# Altium PCB slave2020.PcbDoc (part 1 of 2)
Units mm, origin at the board's own origin, x right, y up, seen from the top; angles counter-clockwise.
Board outline 160 x 183 mm, 2 copper layers (Top, Bottom); 119 components, 63 nets, 329 pads, 13 vias.
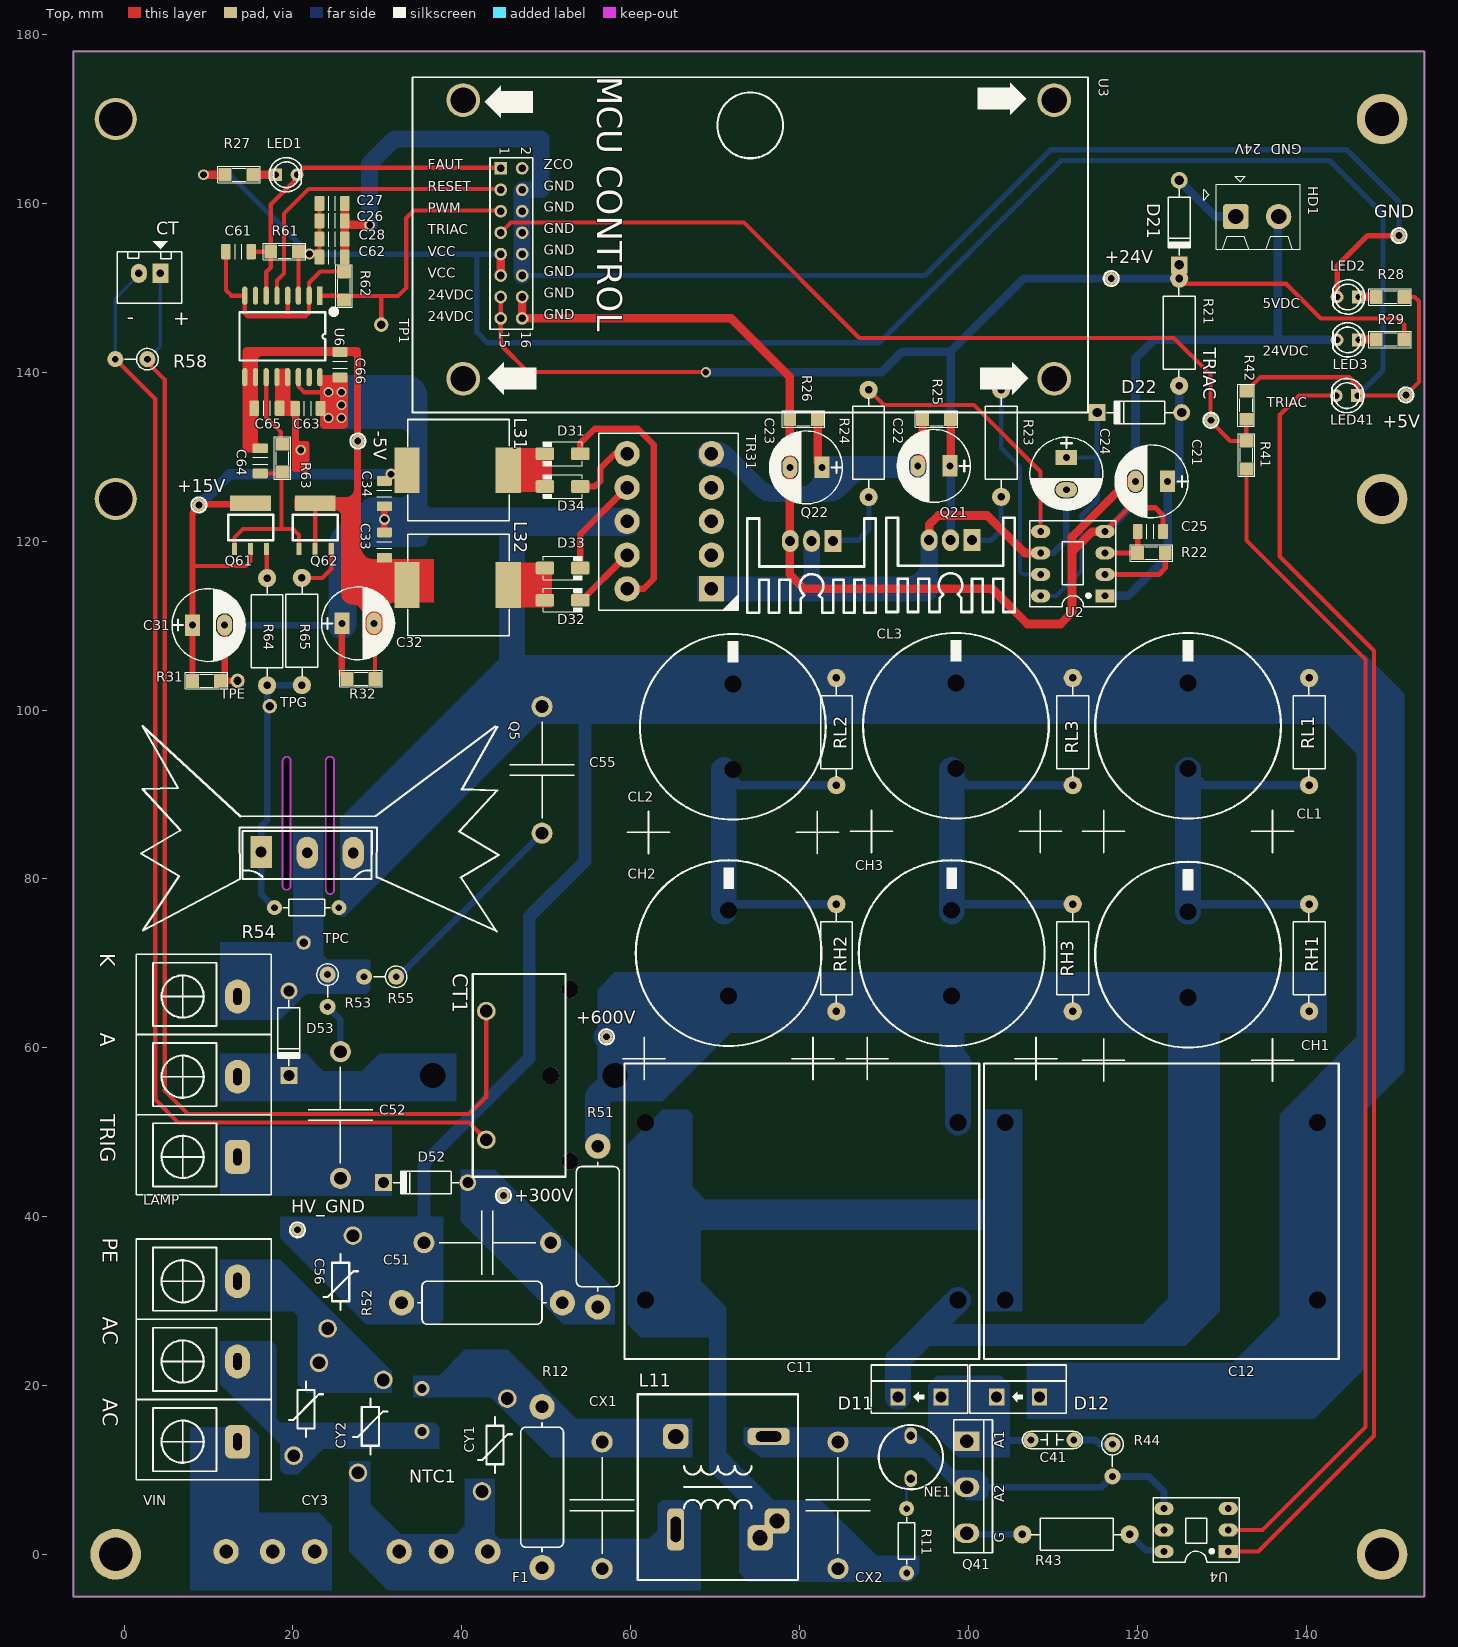
[diagram p0: Top view]
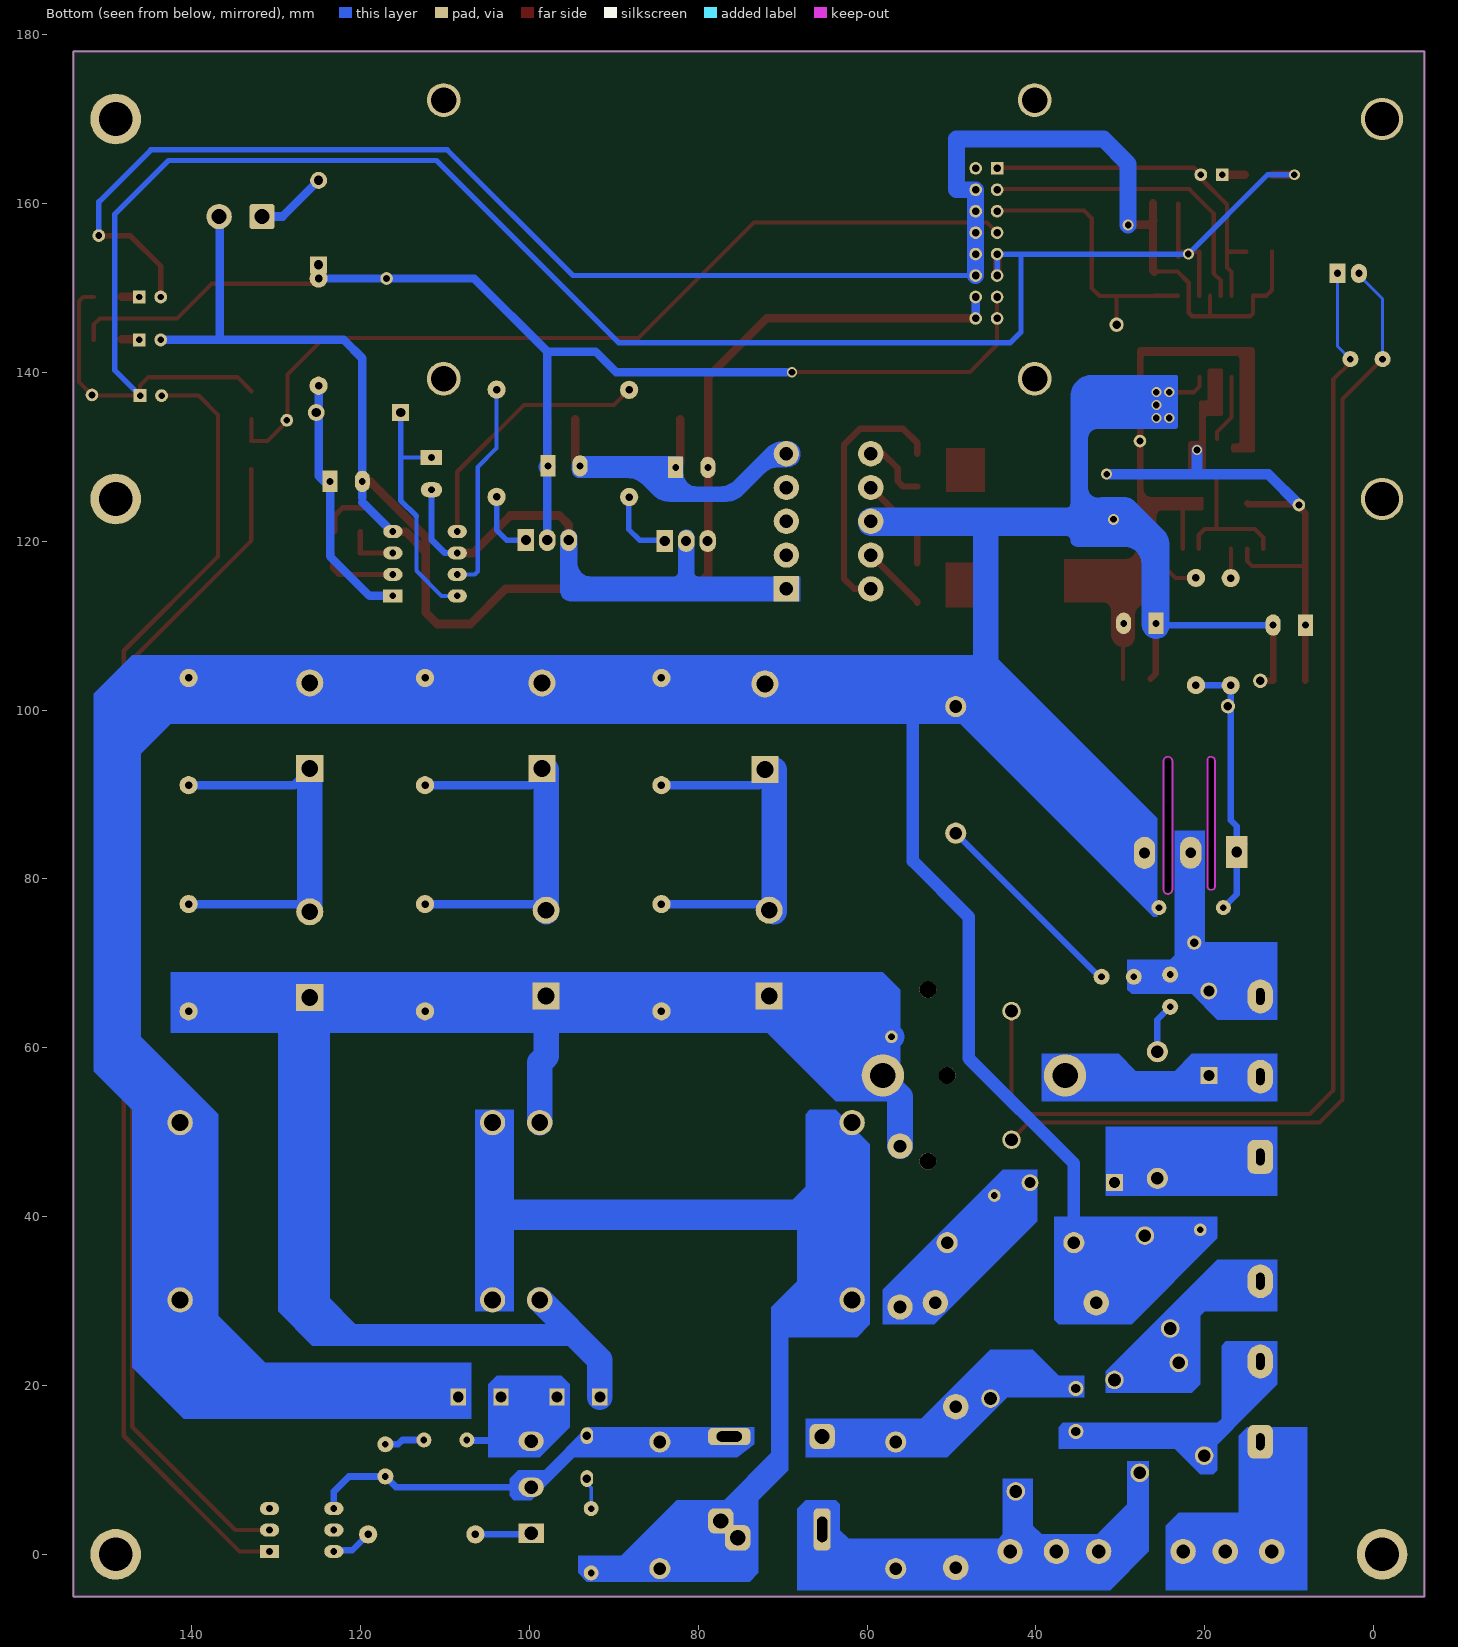
[diagram p1: Bottom view, seen from below]
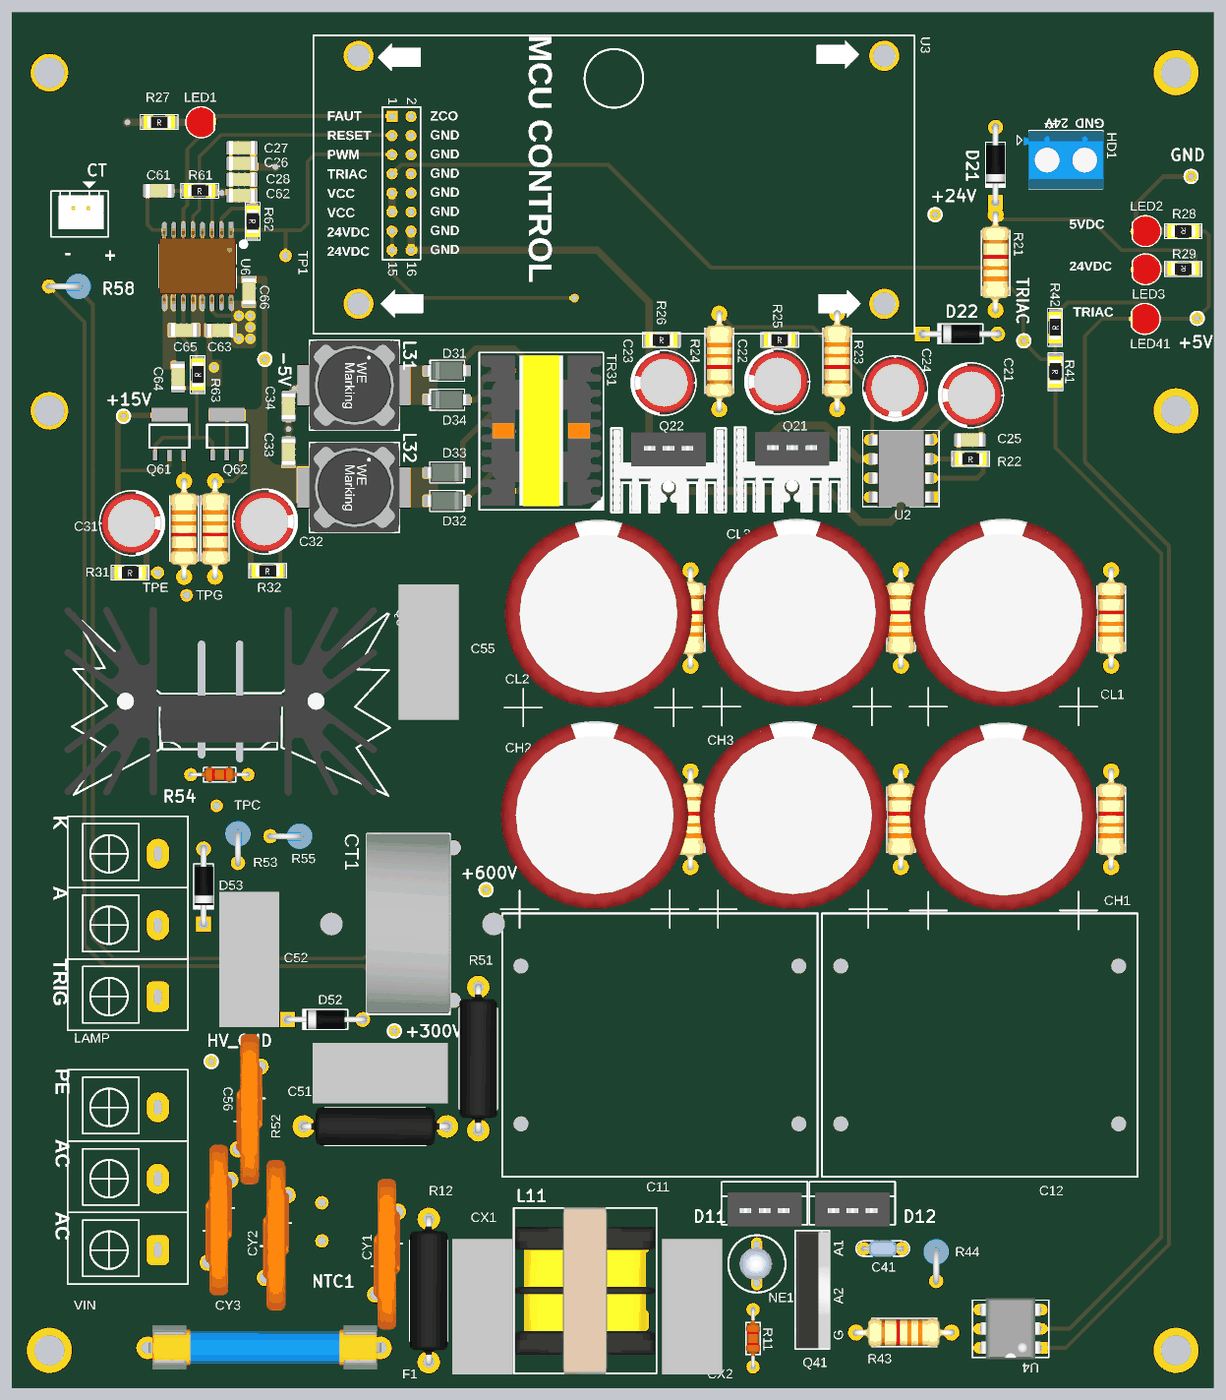
[diagram p3: 3D render of the assembled board from above, using the file's embedded part models]

## Layer stack, top to bottom
Top Solder: solder mask 0.0102, Solder Resist, Dk 3.5
Top: signal copper 0.0356
Dielectric 1: dielectric 0.32, FR-4, Dk 4.8
Bottom: signal copper 0.0356
Bottom Solder: solder mask 0.0102, Solder Resist, Dk 3.5

## Board outline
-6,-5 -6,178 154,178 154,-5
cut-out: 19.255,94.472 cw(c19.255,93.964) 19.763,93.964 19.763,79.232 cw(c19.255,79.232) 19.255,78.724 cw(c19.255,79.232) 18.747,79.232 18.747,93.964 cw(c19.255,93.964)
cut-out: 24.843,93.964 ccw(c24.335,93.964) 24.335,94.472 ccw(c24.335,93.964) 23.827,93.964 23.827,78.724 ccw(c24.335,78.724) 24.335,78.216 ccw(c24.335,78.724) 24.843,78.724

## Design rules (kind name [scope] priority, off if disabled: settings)
Clearance [All] p1: gap=0.254 ignorepadtopadclearanceinfootprint=FALSE except(0: Arc-Hole Track-Hole SMDPad-Hole THPad-Hole Via-Hole Fill-Hole Poly-Hole Region-Hole Text-Hole; 0.5: Arc-Arc Arc-Track Track-Track)
Height [All] p1: minheight=0 maxheight=100 prefheight=12.7
PolygonConnect [All] p1: connectstyle=Relief reliefconductorwidth=0.254 reliefentries=4 polygonreliefangle="90 Angle" airgapwidth=0.254
RoutingVias [All] p1: holewidth=0.711 width=1.27 viastyle="Through Hole" minholewidth=0.711 minwidth=1.27 maxholewidth=5 maxwidth=5
SolderMaskExpansion [All] p1: expansion=0.102
Width [All] p1: maxlimit=5 minlimit=0.254 preferedwidth=0.254
29 further rules are at their usual default settings.

## Classes and differential pairs
component class IGBT: +300V +600V C11 C12 C41 C51 C52 C55 C56 CH1 CH2 CH3 CL1 CL2 CL3 CT CT1 CX1 CX2 CY1 CY2 CY3 D11 D12 D52 D53 F1 L11 LAMP LED41 NE1 NTC1 Q5 Q41 R11 R12 R41 R42 R43 R44 R51 R52 R53 R54 R55 R58 RH1 RH2 RH3 RL1 RL2 RL3 TPC TPE TPG TRIAC U4 VIN
component class DriveIGBT: +5V +15V +24V -5V C21 C22 C23 C24 C25 C26 C27 C28 C31 C32 C33 C34 C61 C62 C63 C64 C65 C66 D21 D22 D31 D32 D33 D34 GND HD1 HV_GND L31 L32 LED1 LED2 LED3 Q21 Q22 Q61 Q62 R21 R22 R23 R24 R25 R26 R27 R28 R29 R31 R32 R61 R62 R63 R64 R65 TP1 TR31 U2 U3 U6

## Components (designator, comment, footprint, x,y, rotation, side; value= is the part's Value field where it differs from the comment)
+5V "TP" TP2 151.813,137.318 r270 top
+15V "TP" TP2 8.859,124.286 r0 top
+24V "TP" TP2 116.914,151.11 r0 top
+300V "TP" TP2 44.927,42.498 r0 top
+600V "TP" TP2 57.119,61.294 r90 top
-5V "TP" TP2 27.683,131.857 r270 top
C11 "C4AQ, Film, Metallized Polypropylene, Automotive DC Link, 90 uF, 10%, 500 V, 70C, Lead Spacing = 37.5mm" "KEMET 90UF 500V" 59.275,23.134 r0 top value=104
C12 "C4AQ, Film, Metallized Polypropylene, Automotive DC Link, 90 uF, 10%, 500 V, 70C, Lead Spacing = 37.5mm" "KEMET 90UF 500V" 143.863,58.134 r180 top value=104
C21 "220uF/35V" CP1.5/3.4 123.599,127.076 r180 top
C22 "220uF/35V" CP1.5/3.4 97.81,128.909 r180 top
C23 "220uF/35V" CP1.5/3.4 82.671,128.731 r180 top
C24 "22uF/35V" CP1.5/3.4 111.602,129.899 r270 top
C25 "Tụ dán SMD 1206102" CAPC3216N 123.049,121.138 r180 top value=102
C26 "Tụ dán SMD 1206104" CAPC3216N 26.135,157.936 r180 top value=104
C27 "Tụ dán SMD 1206104" CAPC3216N 26.135,160 r180 top value=104
C28 "Tụ dán SMD 1206104" CAPC3216N 26.135,155.776 r180 top value=104
C31 "1000uF/35V" CP1.5/3.4 8.097,110.062 r0 top
C32 "1000uF/35V" CP1.5/3.4 25.801,110.265 r0 top
C33 "Tụ dán SMD 1206104" CAPC3216N 30.825,118.035 r90 top value=104
C34 "Tụ dán SMD 1206104" CAPC3216N 30.825,124.132 r90 top value=104
C41 "103/2kV" CN2-LT 107.411,13.542 r0 top
C51 "100nF/630V" "X2 CAP" 35.515,36.91 r90 top
C52 "100nF/630V" "X2 CAP" 25.623,59.53 r0 top
C55 "100nF/630V" "X2 CAP" 49.499,100.41 r0 top
C56 "MOV-14D102K" MOV 24.099,26.75 r90 top
C61 "Tụ dán SMD 1206101" CAPC3216N 12.053,154.285 r0 top value=101
C62 "Tụ dán SMD 1206104" CAPC3216N 26.135,153.65 r180 top value=104
C63 "Tụ dán SMD 1206104" CAPC3216N 20.264,135.716 r0 top value=104
C64 "Tụ dán SMD 1206101" CAPC3216N 16.123,131.02 r270 top value=101
C65 "Tụ dán SMD 1206104" CAPC3216N 15.412,135.741 r0 top value=104
C66 "Tụ dán SMD 1206104" CAPC3216N 25.572,142.396 r270 top value=104
CH1 "180uF" "CAP 25X50" 126.014,76.103 r270 top value=400V/150uF
CH2 "180uF" "CAP 25X50" 71.597,76.287 r270 top value=400V/150uF
CH3 "180uF" "CAP 25X50" 98.014,76.287 r270 top value=400V/150uF
CL1 "180uF" "CAP 25X50" 126.014,103.211 r270 top value=400V/150uF
CL2 "180uF" "CAP 25X50" 72.105,103.095 r270 top value=400V/150uF
CL3 "180uF" "CAP 25X50" 98.521,103.211 r270 top value=400V/150uF
CT "JP2" CON2 4.287,151.718 r180 top value="Connector 2"
CT1 "CT" PCBComponent_1 47.34,56.722 r270 top
CX1 "Tụ lọc nhiễu X2 chân cắm220nF70997332" "X2 CAP" 56.611,-1.698 r180 top value=0.1->0.47uF
CX2 "Tụ lọc nhiễu X2 chân cắm220nF70997332" "X2 CAP" 84.551,-1.698 r180 top value=0.1->0.47uF
CY1 "Varistor chân cắmC931U222MUWDBA7317" MOV 42.387,7.446 r90 top value=270V
CY2 "Varistor chân cắmC931U222MUWDBA7317" MOV 30.703,20.654 r270 top value=270V
CY3 "Varistor chân cắmC931U222MUWDBA7317" MOV 23.083,22.686 r270 top value=270V
D11 "Đi ốt cắmBYT79X-600PQ" TO-220F 94.203,18.622 r0 top
D12 "Đi ốt cắmBYT79X-600PQ" TO-220F 105.887,18.622 r0 top
D21 "Đi ốt cắm1N4007FSCT-ND" DO-41#1 124.965,152.73 r90 top
D22 "Đi ốt cắm1N4007FSCT-ND" DO-41#1 115.25,135.233 r0 top
D31 "Diode nhanh dán512-SS14" DO-214AC 54.04,130.355 r180 top value=SS14
D32 "Diode nhanh dán512-SS14" DO-214AC 49.84,113.013 r0 top value=SS14
D33 "Diode nhanh dán512-SS14" DO-214AC 49.84,116.82 r0 top value=SS14
D34 "Diode nhanh dán512-SS14" DO-214AC 54.04,126.472 r180 top value=SS14
D52 "Đi ốt cắmMUR1100ERLG" DO-41#2 30.703,44.022 r0 top
D53 "Đi ốt cắmMUR1100ERLG" DO-41#2 19.527,56.722 r90 top
F1 "Cầu chì ống thủy tinh5A" Fuse 12.245,0.391 r0 top value=5A
GND "TP" TP2 151,156.19 r270 top
HD1 "HT508-2P" HT508-2P 131.668,158.449 r0 top
HV_GND "TP" TP2 20.543,38.434 r0 top
L11 "744862018" "Choke 5A" 70.327,7.954 r270 top
L31 "Cuộn cảm dán SMD100uH74477020" L-SMD-M-12x10 44.497,128.407 r180 top value=100uH
L32 "Cuộn cảm dán SMD100uH74477020" L-SMD-M-12x10 44.497,114.812 r180 top value=100uH
LAMP "Giắc nguồn 3 chân. 9.5mm :HB9500-3P" HB9500-3P 13.431,47.07 r180 top value=HB9500-3P
LED1 "3mm" "LED 3mm" 17.935,163.398 r0 top
LED2 "3mm" "LED 3mm" 146.205,148.92 r180 top
LED3 "3mm" "LED 3mm" 146.205,143.84 r180 top
LED41 "3mm" "LED 3mm" 146.104,137.236 r180 top
NE1 "606-A1A" NE2 93.187,8.97 r90 top value="Ðèn Neon"
NTC1 "20R" TO-126 35.275,14.558 r90 top
Q5 "IXYK100N120" TO247+LageHeatsink 16.222,83.197 r270 top
Q21 "IRF540NPBF" TO-220-HEATSINK 100.421,120.122 r180 top value=IRF540N
Q22 "IRF540NPBF" TO-220-HEATSINK 83.967,120.019 r180 top value=IRF540N
Q41 "BTA26-600BWRG" TOP3 99.791,13.404 r270 top value=BTA26-600
Q61 "PBSS4041NZ" SOT223 14.98,124.489 r0 top
Q62 "PBSS4041PZ" SOT223 22.626,124.489 r0 top
R11 "330k" RES-1/4W 92.679,-2.206 r90 top
R12 "1M/2W" RES-3W 49.499,-1.571 r90 top
R21 "470R/1W" RES-1W 124.965,151.11 r270 top
R22 "Trở dán SMD 120610k" RES-SMD-1206 120.009,118.598 r0 top value=10k
R23 "22R/1W" RES-1W 103.88,125.251 r90 top
R24 "22R/1W" RES-1W 88.183,125.226 r90 top
R25 "Trở dán SMD 1206100k" RES-SMD-1206 94.579,134.446 r0 top value=100k
R26 "Trở dán SMD 1206100k" RES-SMD-1206 78.831,134.446 r0 top value=100k
R27 "330R" RES-SMD-1206 11.966,163.398 r0 top
R28 "330R" RES-SMD-1206 151.607,148.924 r180 top
R29 "3k3" RES-SMD-1206 151.607,143.895 r180 top
R31 "Trở dán SMD 120622k" RES-SMD-1206 8.097,103.458 r0 top value=22k
R32 "Trở dán SMD 12065k6" RES-SMD-1206 26.403,103.697 r0 top value=5k6
R41 "220R" RES-SMD-1206 132.933,131.854 r270 top
R42 "4k7" RES-SMD-1206 132.913,134.446 r90 top
R43 "100R" RES-1W 106.395,2.366 r0 top
R44 "4.7R" R1/4WD 117.063,13.034 r270 top
R51 "220k/2W" RES-3W 56.103,29.29 r90 top
R52 "220k/2W" RES-3W 32.862,29.798 r0 top
R53 "10R" R1/4WD 24.099,68.66 r270 top
R54 "Điện trở cắm 1/4W10k" RES-1/4W 25.43,76.594 r180 top value=10k
R55 "4.7R" R1/4WD 32.227,68.406 r180 top
R58 "10R" R1/4WD 2.763,141.558 r180 top
R61 "Trở dán SMD 120610k" RES-SMD-1206 17.363,154.285 r0 top value=10k
R62 "Trở dán SMD 12062k2" RES-SMD-1206 26.05,151.872 r270 top value=2k2
R63 "Trở dán SMD 1206100R" RES-SMD-1206 18.76,128.175 r90 top value=100R
R64 "Trở cắm 1W100R" RES-1W 16.936,102.925 r90 top value=100R
R65 "Trở cắm 1W100R" RES-1W 21.051,102.95 r90 top value=100R
RH1 "Trở cắm 1W330k/1W" RES-1W 140.357,77.015 r270 top value=330k/1W
RH2 "Trở cắm 1W330k/1W" RES-1W 84.357,77.015 r270 top value=330k/1W
RH3 "Trở cắm 1W330k/1W" RES-1W 112.357,77.015 r270 top value=330k/1W
RL1 "Trở cắm 1W330k/1W" RES-1W 140.357,103.795 r270 top value=330k/1W
RL2 "Trở cắm 1W330k/1W" RES-1W 84.357,103.795 r270 top value=330k/1W
RL3 "Trở cắm 1W330k/1W" RES-1W 112.357,103.795 r270 top value=330k/1W
TP1 "TESTPOINT_LEAD" TP#1 30.455,145.64 r270 top
TPC "C" TP#2 6.319,101.419 r0 top
TPE "E" TP#3 26.766,133.303 r0 top
TPG "G" TP#4 9.367,84.154 r90 top
TR31 "EE19" EE19 69.565,114.355 r90 top
TRIAC "TP" TP2 128.725,134.32 r0 top
U2 "IR2153" DIP8/W0.3 116.169,113.518 r90 top
U3 "Module MCU" "MCU CONTROL" 44.605,164.16 r270 top
U4 "MOC3020M" DIP6/W0.3 130.779,0.334 r180 top value=MOC3020SM
U6 "HCPL-316J" SO16 23.181,149.078 r270 top
VIN "Giắc nguồn 3 chân. 9.5mm :HB9500-3P" HB9500-3P 13.431,13.338 r180 top value=HB9500-3P

## Footprints (in the part's own frame and the unit in brackets; to place one, negate y for a bottom-side part, rotate by r counter-clockwise, add the part's x,y. Pads: shape width x height; smd on the part's side, far side on the other; paste and mask are expansions set on the pad)
"CAP 25X50" [mm]
  rect 0x0 / inner rect 0x0 / far side rect 3.2x3.2 hole 2: 1(10.16,0)
  round 0 / inner round 0 / far side round 3.2 hole 2: 2(0,0)
  silkscreen extent -5.92,-12.5 20.08,12.5, body extent -7.42,-12.5 17.58,12.5, height 50.01
CAPC3216N [mm] "Chip Capacitor, Body 3.2x1.6mm, 1206, IPC Medium Density"
  round 0.508 on Mech14: 0(1.5,0)
  rrect25% 1.15x1.8 smd: 1(0,0) 2(3,0)
  silkscreen extent 1.1,-0.88 1.9,0.88, body extent -0.2,-0.9 3.2,0.9, height 1.74
"Choke 5A" [mm]
  rrect50% 5x2 hole 1.2 slot 3 at 0 deg: 1(5,-5)
  rrect50% 3x3 hole 1.8: 2(4,7) 2(6,5) 4(-6,-5)
  rrect50% 2x5 hole 3 slot 1.2 at 0 deg: 3(-6,6)
  silkscreen extent -11,-9.5 11,9.5, body extent -11.11,-9.38 11.12,9.33, height 25.56
CN2-LT [mil]
  round 70 hole 31: 1(0,0) 2(200,0)
  silkscreen extent -40,-40 240,40, body extent -10,-43 210,44, height 276
CON2 [mil] "CON2"
  rect 75x90 hole 34: 1(0,0)
  oval 75x90 hole 34: 2(100,0)
  silkscreen extent -100,-150 200,140, body extent -76,-77 160,100, height 236
CP1.5/3.4 [mil] "1000uF/35V"
  rect 70x100 hole 32: 1(0,0)
  oval 70x100 hole 32: 2(150,0)
  silkscreen extent -95,-170 245,170, body extent -85,-157 230,157, height 456
DIP6/W0.3 [mil] "6 PIN, W 300mil, Pin to pin 100mil"
  rect 90x60 hole 31.5: 1(0,0)
  oval 90x60 hole 31.5: 2(0,-100) 3(0,-200) 4(300,-200) 5(300,-100) 6(300,0)
  silkscreen extent -50,-250 350,50, body extent -7,-260 307,58, height 170
DIP8/W0.3 [mil] "8 PIN, W 300mil, Pin to pin 100mil"
  rect 60x90 hole 31: 1(0,0)
  oval 60x90 hole 31: 2(100,0) 3(200,0) 4(300,0) 5(300,300) 6(200,300) 7(100,300) 8(0,300)
  silkscreen extent -50,-50 350,350, body extent -50,-40 350,336, height 201
DO-41#1 [mm] "1N4007"
  round 2 hole 1.1: A(10,0)
  rect 2x2 hole 1.1: K(0,0)
  silkscreen extent 1.15,-1.3 8.93,1.33, body extent -0.4,-1.28 10.52,1.28, height 2.55
DO-41#2 [mm] "1N4007"
  round 2 hole 1.3: A(10,0)
  rect 2x2 hole 1.3: K(0,0)
  silkscreen extent 1.15,-1.3 8.93,1.33, body extent -0.4,-1.28 10.52,1.28, height 2.55
DO-214AC [mm] "JEDEC DO214 variation AC. SMA"
  round 0.508 on Mech14: 0(2.1,0)
  rrect25% 2.2x1.5 smd: 1(0,0) 2(4.2,0)
  silkscreen extent -0.2,-1.4 4.4,1.4, body extent -0.5,-1.3 4.7,1.3, height 2.42
EE19 [mm]
  rect 3x3 hole 1.6: 1(0,0)
  round 3 hole 1.6: 2(4,0) 3(8,0) 4(12,0) 5(16,0) 6(16,10) 7(12,10) 8(8,10) 9(4,10) 10(0,10)
  silkscreen extent -2.54,-3.17 18.41,13.33, body extent -2.01,-2.92 18.01,13.11, height 19.81
Fuse [mm]
  round 3 hole 1.6: 1(-0.17,-0.057) 1(5.33,-0.057) 1(10.33,-0.057) 2(20.33,-0.057) 2(25.33,-0.057) 2(30.83,-0.057)
  body extent 0,-2.95 30.88,2.95, height 8.84
HB9500-3P [mm] "Pitch: 9.5mm, Poles: 3P, Rated Voltage: 300V, Current: 30A, Wire range : 22-12 AWG"
  rrect50% 3x4 hole 1 slot 2 at 90 deg: 1(0,0)
  oval 3x4 hole 1 slot 2 at 90 deg: 2(0,-9.5) 3(0,-19)
  silkscreen extent -4,-24 12,4.5
HT508-2P [mm] "CON 2 HT508-2P 5.08MM"
  rrect25% 3x3 hole 1.8: 1(0,0)
  round 3 hole 1.8: 2(5.08,0)
  silkscreen extent -3.81,-3.9 7.62,4.78, body extent -2.93,-3.89 7.67,3.71, height 10.01
"KEMET 90UF 500V" [mm] "C4AQLBW5900A3OK"
  round 0 / inner round 3 / far side round 3 hole 2: 1(2.5,7) 1(2.5,28) 2(39.5,7) 2(39.5,28)
  silkscreen extent 0,0 42,35, body extent 0,0 42,35, height 51
L-SMD-M-12x10 [mm] "WE-PDA SMD Shielded Power Inductor, 1210"
  rect 3x5.4 smd: 1(-1,0) 2(11,0)
  silkscreen extent -1.1,-6 10.9,6, body extent -1.1,-6 10.9,6, height 9.7
"LED 3mm" [mil]
  rect 60x60 hole 30: 1(0,0)
  round 60 hole 30: 2(100,0)
  silkscreen extent -30,-80 119,80, body extent -29,-79 116,79, height 181
"MCU CONTROL" [mm]
  round 4 hole 3: 0(-8.08,-4.45) 0(-8.08,65.55) 0(24.92,-4.45) 0(24.92,65.55)
  rect 1.5x1.5 hole 0.9: 1(0,0)
  round 1.5 hole 0.9: 2(0,2.54) 3(2.54,0) 4(2.54,2.54) 5(5.08,0) 6(5.08,2.54) 7(7.62,0) 8(7.62,2.54) 9(10.16,0) 10(10.16,2.54) 11(12.7,0) 12(12.7,2.54) 13(15.24,0) 14(15.24,2.54) 15(17.78,0) 16(17.78,2.54)
  silkscreen extent -10.8,-10.45 28.92,69.55